# KiCad board JL.kicad_pcb (continued)
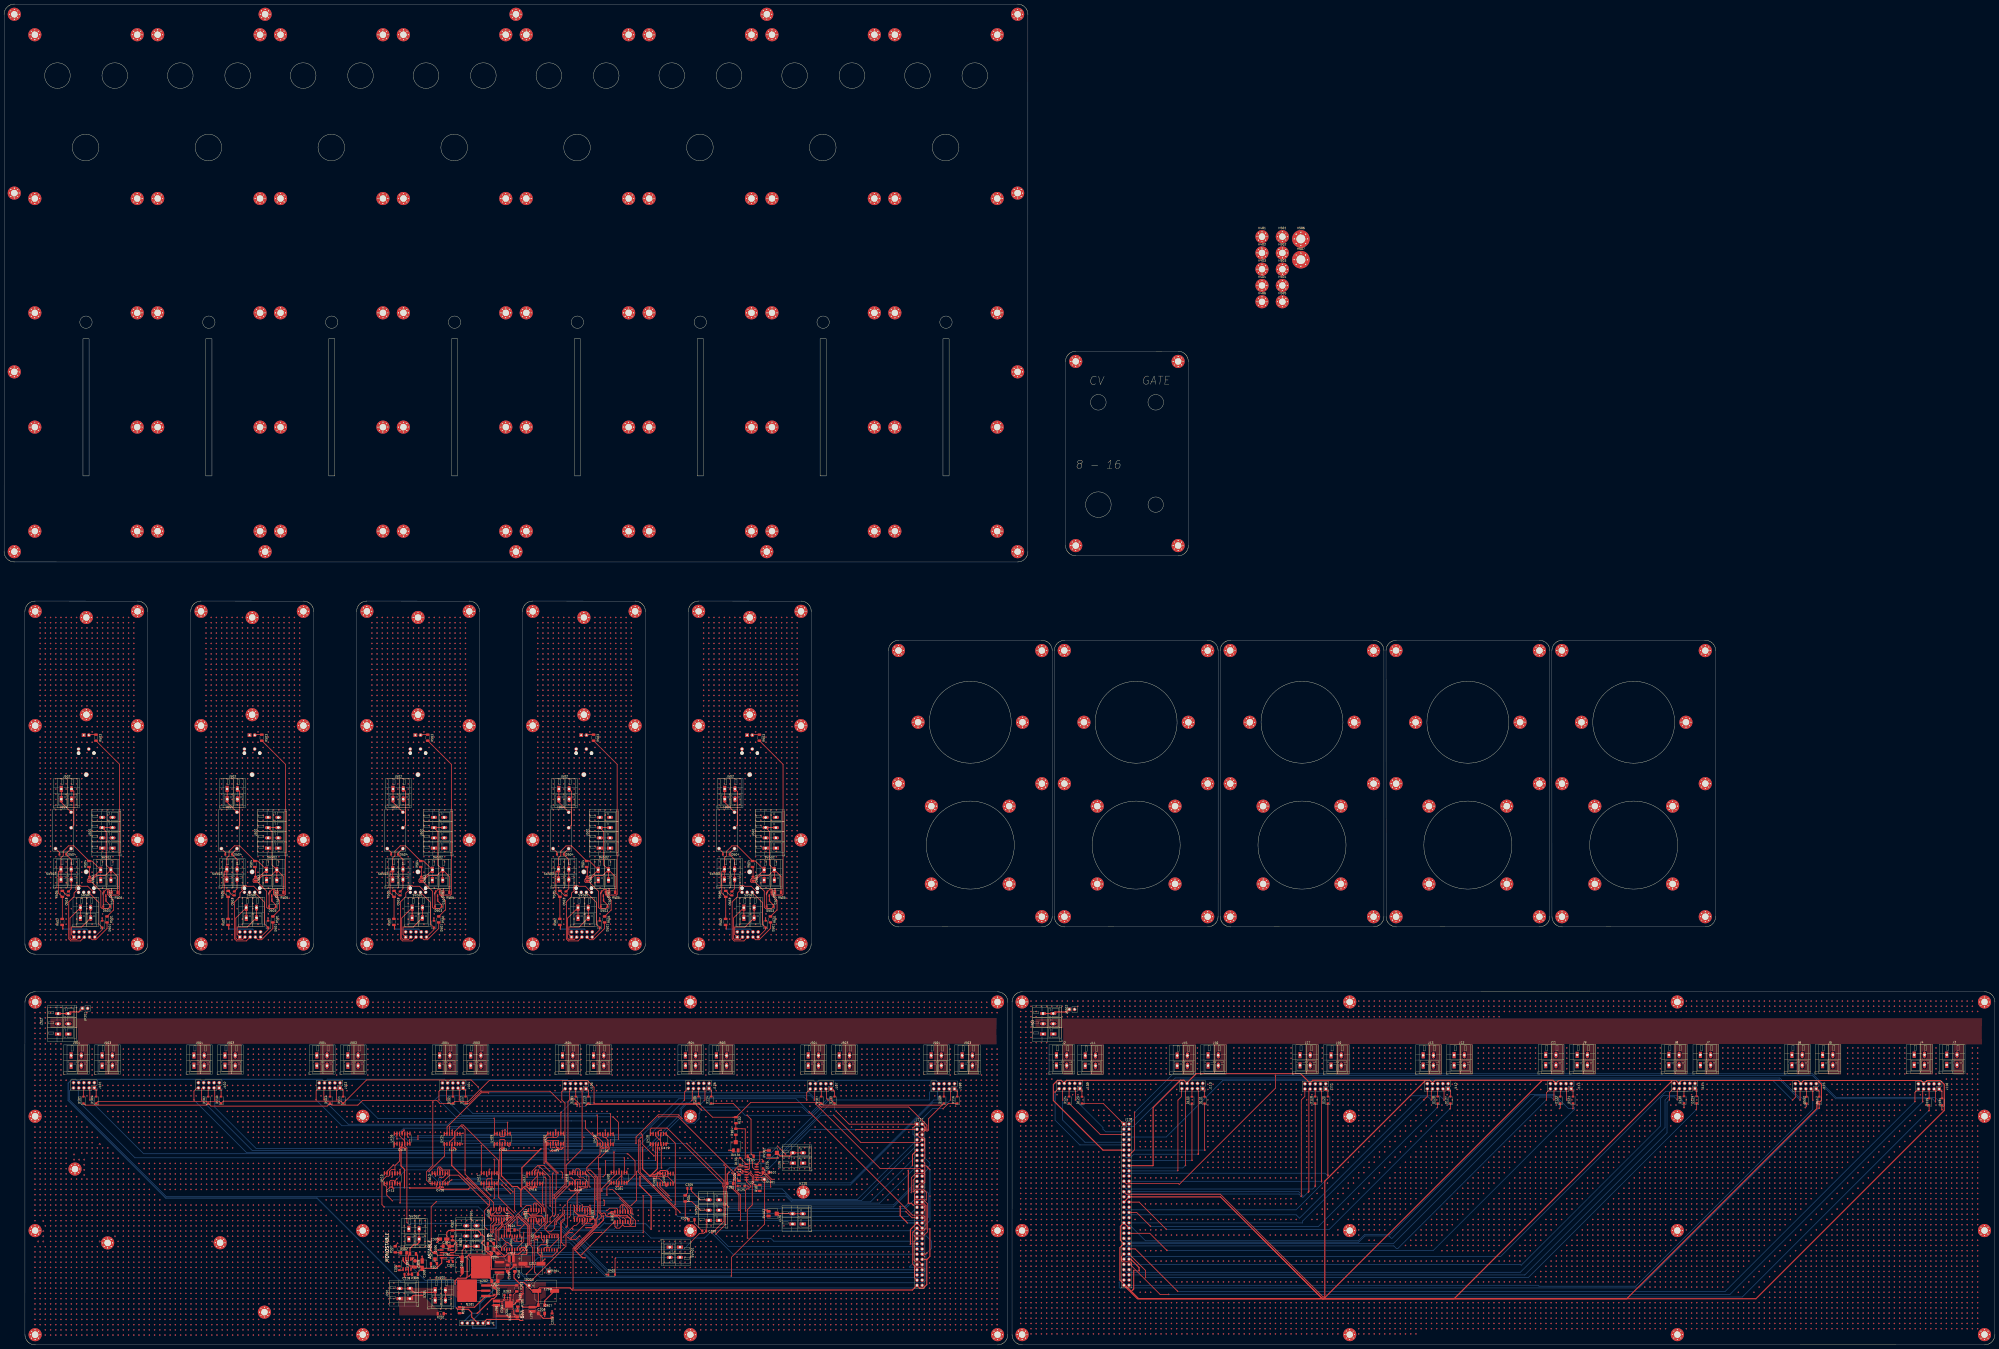
[diagram p0: board, top side]
## Routing (per net, layer and track width the routed paths; a pad name or vN(x,y) marks a point on that pad's centre or on a via; arc(x,y) is an arc through that point) (continued)
*CV_8: length 273.7
  Top w0.349: 216.33,98.18 215.06,98.18 215.06,92.25 v4(207.54,84.73) ; v4(247.32,73.95) 243.16,78.11 v4(243.12,78.11)
  Bottom w0.349: v4(243.12,78.11) 243.12,78.15 242.99,78.28 213.3,78.28 207.54,84.04 v4(207.54,84.73) ; J117.9 418.63,70.46 384.84,70.46 381.35,73.95 v4(247.32,73.95)
*CV_9: length 260.9
  Top w0.349: v4(396.37,117.65) 427.79,86.23 447.11,86.23 J117.20 ; v4(236.62,123.15) 233.02,123.15 216.33,106.46 216.33,103.13 215.06,103.13
  Bottom w0.349: v4(236.62,123.15) 393.22,123.15 396.48,119.9 396.48,117.76 v4(396.37,117.65)
*CV_10: length 275.6
  Top w0.349: 192.16,83.88 193.43,83.88 193.37,83.94 v4(193.37,85.65) ; v4(266.62,67.9) 266.62,81.98 261.69,86.9 v4(261.37,86.9)
  Bottom w0.349: v4(266.62,67.9) 267.39,67.13 327.44,67.13 327.96,67.65 350.52,67.65 351.55,66.63 440.2,66.63 J117.29 ; v4(261.37,86.9) 261.24,87.03 194.74,87.03 v4(193.37,85.65)
*CV_11: length 291.8
  Top w0.349: v4(393.12,113.9) 443.65,63.37 448.91,63.37 449.65,62.63 449.65,60.84 J117.40 ; v3(198.07,100.38) 198.07,98.29 198.18,98.18 196.91,98.18 ; v3(202.12,100.45) v3(202.12,102.18)
  Bottom w0.349: v3(198.07,100.38) 198.14,100.45 v3(202.12,100.45) ; v3(202.12,102.18) 311.44,102.18 329.51,120.25 386.77,120.25 v4(393.12,113.9)
*CV_12: length 272.7
  Top w0.349: v4(251.62,63.4) 256.59,58.43 256.59,49.08 258.09,47.58 258.09,37.63 v4(255.12,34.65) ; 256.58,78.93 255.31,78.93 255.31,78.44 v3(255.94,77.8) ; v3(249.34,76.33) 249.34,65.68 v3(249.78,65.24)
  Bottom w0.349: v4(255.12,34.65) 255.12,33.31 258.07,30.35 448.91,30.35 450.25,31.7 450.25,44.25 448.91,45.59 447.11,45.59 J117.49 ; v3(255.94,77.8) 254.66,77.8 253.18,76.33 v3(249.34,76.33) ; v4(251.62,63.4) v3(249.78,65.24)
*CV_13: length 251.9
  Top w0.349: 256.58,83.88 255.31,83.88 255.37,83.82 v4(255.37,81.9) ; v4(259.42,35.25) 259.42,35.35 258.99,35.78 258.99,39.2 258.88,39.31 258.88,54.17 264.62,59.9 264.62,81.4 v4(264.12,81.9)
  Bottom w0.349: v4(264.12,81.9) v4(255.37,81.9) ; J117.60 447.11,32.89 261.78,32.89 v4(259.42,35.25)
*CV_14: length 183.7
  Top w0.349: 282.66,83.88 283.93,83.88 285.62,82.19 285.62,77.65 v4(286.02,77.25)
  Bottom w0.349: J117.7 416.69,71.06 385.09,71.06 379.95,76.2 367.45,76.2 367.07,75.83 363.99,75.83 363.89,75.72 362.96,76.65 295.55,76.65 295.42,76.52 286.75,76.52 v4(286.02,77.25)
*CV_15: length 169.2
  Top w0.349: v4(324.12,98.4) 323.4,98.4 323.18,98.18 321.91,98.18 ; v4(347.62,54.15) 352.15,58.68 352.15,68.25 352.09,68.31 352.09,77.15 351.59,77.65 351.59,80.18 v4(333.37,98.4)
  Bottom w0.349: v4(347.62,54.15) 353.64,48.13 447.11,48.13 J117.50 ; v4(333.37,98.4) v4(324.12,98.4)
*GATE_8: length 256.7
  Top w0.349: v4(450.67,105.28) 450.67,107.33 441.8,116.2 399.07,116.2 v4(398.03,117.25) ; 222.12,98.18 222.68,98.18 ; 222.12,98.18 221.41,98.18 ; 222.12,98.18 223.84,98.18 v4(223.87,98.15) ; v4(308.62,98.4) 308.62,101.55 319.47,112.4 329.28,112.4 v4(331.07,110.61)
  Bottom w0.349: v4(331.07,110.61) 333.65,108.04 336.96,108.04 339.39,110.47 339.39,112.97 339.84,113.43 339.84,114.98 341.02,116.15 389.77,116.15 392.8,113.13 394.16,113.13 394.16,113.38 v4(398.03,117.25) ; v4(223.87,98.15) 224.12,98.4 v4(308.62,98.4) ; v4(450.67,105.28) J117.4
*GATE_9: length 280.3
  Top w0.349: 186.87,75.8 186.87,74.63 ; 186.87,74.63 186.87,73.15 v3(189.62,70.4) ; 186.87,74.63 186.87,74.63 186.87,77.15 185.81,78.21 185.81,78.93 187.08,78.93
  Bottom w0.349: v3(189.62,70.4) 190.07,70.86 268.94,70.86 269.6,71.53 288.84,71.53 289.44,72.13 324.94,72.13 325.46,72.65 381.8,72.65 384.6,69.86 423.11,69.86 J117.13
*GATE_10: length 293.2
  Top w0.349: v4(190.12,87.9) 187.08,84.86 187.08,83.88 185.81,83.88 ; v4(353.84,67.4) 352.69,68.55 352.69,77.4 352.19,77.9 352.19,86.31 352.69,86.81 v4(351.62,87.88)
  Bottom w0.349: v4(190.12,87.9) 190.14,87.88 v4(351.62,87.88) ; J117.24 449.65,78.61 449.65,76.82 448.91,76.07 443.04,76.07 434.37,67.4 353.84,67.4 v4(353.84,67.4)
*GATE_11: length 282.7
  Top w0.349: 198.18,103.13 196.91,103.13 196.91,101.86 v4(197.37,101.4) ; v4(328.12,63.65) 328.12,65.96 309.84,84.24 309.84,100.13 v4(311.12,101.4)
  Bottom w0.349: v4(311.12,101.4) v4(283.12,101.4) v4(197.37,101.4) ; J117.33 441.45,62.79 328.98,62.79 v4(328.12,63.65)
*GATE_12: length 205.8
  Top w0.349: v4(263.37,68.49) 262.93,68.93 262.93,78.93 261.66,78.93
  Bottom w0.349: J117.44 447.11,55.75 345.62,55.75 342.07,52.2 315.91,52.2 312.36,55.76 276.93,55.76 275.19,57.49 275.19,57.81 274.74,58.27 274.42,58.27 264.2,68.49 v4(263.37,68.49)
*GATE_13: length 228.3
  Top w0.349: v4(268.57,62.86) 269.39,63.68 269.39,71.43 276.31,78.34 276.31,78.93 277.58,78.93
  Bottom w0.349: v4(268.57,62.86) 268.57,61.73 294.87,35.43 448.91,35.43 449.65,36.18 449.65,37.23 448.91,37.97 442.03,37.97 J117.53
*GATE_14: length 246.6
  Top w0.349: 276.31,83.88 277.58,83.88 277.87,84.17 v4(277.87,85.38) ; v4(285.37,85.38) 286.38,85.38 289.87,81.89 289.87,62.38 289.42,61.93 289.42,58.7 277.87,47.15 v4(277.87,27.65)
  Bottom w0.349: v4(285.37,85.38) v4(277.87,85.38) ; J117.64 447.11,27.81 278.03,27.81 v4(277.87,27.65)
*GATE_15: length 160.9
  Top w0.349: v4(327.62,68.4) 327.76,68.54 327.76,98.55 323.18,103.13 321.91,103.13
  Bottom w0.349: v4(327.62,68.4) 434.36,68.4 J117.23
*RELAYS_8: length 249.6
  Top w0.349: v4(317.37,92.4) 311.89,97.88 311.89,102.38 v4(311.22,103.05) ; J117.8 447.11,98.93 418.34,98.93 v4(405.12,112.15) ; 221.41,103.13 223.84,103.13 v4(224.12,103.4) ; v4(372.62,91.15) 377.87,91.15 v4(378.12,91.4)
  Bottom w0.349: v4(311.22,103.05) 311.04,102.88 224.64,102.88 v4(224.12,103.4) ; v4(372.62,91.15) 371.37,92.4 v4(317.37,92.4) ; v4(405.12,112.15) 398.87,112.15 v4(378.12,91.4)
*RELAYS_9: length 271.7
  Top w0.349: v4(193.37,69.4) 193.43,69.46 193.43,78.93 192.16,78.93
  Bottom w0.349: v4(193.37,69.4) 193.51,69.26 269.02,69.26 269.98,70.23 287.99,70.23 288.95,69.26 427.6,69.26 J117.17
*RELAYS_10: length 321.1
  Top w0.349: v4(359.49,60.88) 359.64,61.03 359.64,73.29 357.12,75.81 357.12,83.48 329.16,111.43 v4(319.59,111.43) ; 191.83,98.18 190.56,98.18 190.56,96.87 v4(190.37,96.68)
  Bottom w0.349: v4(359.49,60.88) 359.54,60.83 449.8,60.83 451.37,62.4 451.37,74.15 450.72,74.8 J117.28 ; v4(190.37,96.68) 190.37,101.1 195.15,105.88 313.34,105.88 313.37,105.9 314.07,105.9 v4(319.59,111.43)
*RELAYS_11: length 283.7
  Top w0.349: v4(191.87,100.65) 191.83,100.69 191.83,103.13 190.56,103.13 ; v4(440.37,65.15) 443.42,62.1 J117.37 ; v4(330.12,64.65) 330.12,64.81 310.62,84.31 v4(310.62,99.65)
  Bottom w0.349: v4(191.87,100.65) 196.37,100.65 197.39,99.63 310.59,99.63 v4(310.62,99.65) ; v4(330.12,64.65) 330.62,64.15 382.72,64.15 383.8,65.24 440.28,65.24 v4(440.37,65.15)
*RELAYS_12: length 222
  Top w0.349: v4(363.09,52.08) 362.94,52.23 362.94,65.98 365.37,68.41 365.37,82.24 v4(364.46,83.15) ; 261.66,83.88 263.39,83.88 v4(264.12,83.15)
  Bottom w0.349: v4(363.09,52.08) 374.42,52.08 375.82,50.67 447.11,50.67 J117.48 ; v4(264.12,83.15) v4(364.46,83.15)
*RELAYS_13: length 208.2
  Top w0.3: v3(284.17,77.46) 283.93,77.7 283.93,78.93 282.66,78.93 ; v3(283.15,76.57) 282.49,76.57 281.44,75.53
  Top w0.349: 281.44,75.53 280.44,75.53 275.06,70.14 275.06,58.13 v4(274.42,57.5)
  Bottom w0.3: v3(283.15,76.57) 284.03,77.46 v3(284.17,77.46)
  Bottom w0.349: J117.57 294.69,36.7 274.42,56.97 v4(274.42,57.5)
*RELAYS_14: length 141.6
  Top w0.349: v4(316.87,95.15) 316.87,98.14 316.83,98.18 315.56,98.18 ; v4(381.62,93.15) v4(377.74,97.03) ; v4(415.87,105.15) 416,105.28 J117.3
  Bottom w0.349: v4(415.87,105.15) 393.62,105.15 v4(381.62,93.15) ; v4(377.74,97.03) 374.76,94.05 317.97,94.05 v4(316.87,95.15)
*RELAYS_15: length 181.8
  Top w0.349: 316.83,103.13 315.56,103.13 315.56,105.34 316.12,105.9 323.87,105.9 350.99,78.78 350.99,77.4 351.49,76.9 351.49,68.06 351.55,68 351.55,60.4 345.8,54.65 v4(345.62,54.65)
  Bottom w0.349: v4(345.62,54.65) 355.95,44.32 J117.51
/CascadeCounters-CommonOutputs/EIGHT: length 27.6
  Top w0.349: v4(257.37,49.4) 257.33,49.44 257.33,60.93 ; U404.9 243,47.53 v4(244.87,49.4)
  Bottom w0.349: v4(244.87,49.4) v4(257.37,49.4)
/CascadeCounters-CommonOutputs/FIVE: length 62.1
  Top w0.349: v4(261.62,58.43) 261.14,58.91 261.14,60.93 ; v4(273.62,65.65) 273.62,64.07 269.62,60.07 v4(269.62,58.9) ; v4(253.87,58.65) 251.89,56.67 U404.1 ; v4(294.21,65.65) 294.58,65.65 295.71,66.78 299.15,66.78 299.58,66.35 299.58,64.4
  Bottom w0.349: v4(269.62,58.9) 269.09,58.38 261.67,58.38 v4(261.62,58.43) 261.39,58.65 v4(253.87,58.65) ; v4(294.21,65.65) v4(273.62,65.65)
/CascadeCounters-CommonOutputs/FOUR: length 82.2
  Top w0.3: v3(302.92,66.38) 303.39,65.91 303.39,65.38
  Top w0.349: 284.91,66.13 284.91,63.69 v4(284.87,63.65) ; v4(273.62,62.98) 273.62,60.93 272.26,59.57 272.26,49.99 v4(273.62,48.63) ; v4(245.43,48.63) 244.27,47.47 U404.10
  Bottom w0.349: 273.37,48.63 273.87,48.63 ; 273.37,48.63 v4(273.62,48.63) ; 273.37,48.63 v4(245.43,48.63) ; v4(273.62,62.98) 274.29,63.65 v4(284.87,63.65) 286.24,65.03 293.74,65.03 293.89,64.88 295.49,64.88 296.82,63.55 300.08,63.55 v3(302.92,66.38)
/CascadeCounters-CommonOutputs/NINE: length 29
  Top w0.349: 240.35,66.38 240.35,65.4 238.85,63.9 v4(238.37,63.9) ; U404.11 245.37,46.48 v4(245.37,45.15) ; v4(240.37,57.18) 239.84,56.65 v4(239.84,51.4)
  Bottom w0.349: v4(245.37,45.15) 245.37,45.88 v4(239.84,51.4) ; v4(240.37,57.18) 242.39,59.2 242.39,59.98 238.46,63.9 v4(238.37,63.9)
/CascadeCounters-CommonOutputs/ONE: length 91.9
  Top w0.3: v4(281.26,67.9) 281.06,67.7 U402.5 ; v4(272.85,61.25) 271.66,60.06 v4(271.66,47.43) ; v4(276.06,62.53) 276.66,63.13 v4(276.66,68.23)
  Top w0.349: v4(241.62,51.15) 241.62,56 243.68,58.06 243.68,58.95 243.48,59.15 243.48,60.05 244.16,60.73 244.16,61.43 ; U404.2 250.37,52.9 v4(250.37,51.15)
  Bottom w0.3: v4(272.85,61.25) 273.51,61.91 275.44,61.91 v4(276.06,62.53) ; v4(281.26,67.9) 280.26,68.9 277.33,68.9 v4(276.66,68.23) ; v4(271.66,47.43) 245.58,47.43 244.12,48.89 244.12,49.71 244.56,50.15 245.18,50.15 245.35,49.97 251.55,49.97 v4(250.37,51.15)
  Bottom w0.349: v4(241.62,51.15) v4(250.37,51.15)
/CascadeCounters-CommonOutputs/RESET_COUNTERS: length 66
  Top w0.349: v4(250.87,56.15) 249.29,56.15 R401.1 ; v4(262.12,54.9) 262.44,54.58 U406.15 262.44,51.83 v4(263.12,51.15) ; D401.1 294.98,34.4 v4(293.87,34.4) ; v4(253.77,54.9) 253.77,50.6 250.62,47.45 U404.15
  Bottom w0.349: v4(250.87,56.15) 252.12,54.9 v4(253.77,54.9) v4(262.12,54.9) ; v4(263.12,51.15) 277.12,51.15 v4(293.87,34.4)
/CascadeCounters-CommonOutputs/SEVEN: length 23.5
  Top w0.349: 257.33,65.88 257.33,67.94 257.12,68.15 255.12,68.15 245.36,58.4 245.36,53.33 U404.6
/CascadeCounters-CommonOutputs/SIX: length 32.2
  Top w0.349: 261.14,65.88 261.14,64.9 260.14,63.9 v3(257.87,63.9) ; v3(249.57,61.15) 247.34,58.92 247.34,53.68 U404.5 ; U405.2 244.17,65.33 245.23,64.26 v4(246.45,64.26) ; 244.16,65.86 244.16,66.38
  Bottom w0.3: 256.16,62.83 254.26,62.83 253.33,61.9 251.77,61.9 250.92,61.05
  Bottom w0.349: 256.16,62.83 256.76,63.43 257.39,63.43 v3(257.87,63.9) ; 250.92,61.05 249.67,61.05 v3(249.57,61.15) 248.34,62.38 248.34,62.83 246.91,64.26 v4(246.45,64.26)
/CascadeCounters-CommonOutputs/TENS: length 148.8
  Top w0.3: U405.9 239.09,60.38 237.62,58.91 237.62,55.1 238.06,54.66 238.68,54.66 239.11,55.1 239.11,57.88 239.87,58.63 241.65,58.63 242.9,59.88 U405.12
  Top w0.349: 240.62,47.15 240.62,55.85 242.89,58.12 242.89,58.43 ; 240.62,47.15 243.87,43.9 v4(244.12,43.9) ; 240.62,47.15 240.62,46.9 ; U407.9 304.66,66 304.24,66.42 304.24,66.87 302.44,68.67 301.8,68.67 300.85,67.72 U407.12 ; 242.89,61.43 242.89,58.43 ; 302.12,58.65 300.49,57.03 299.16,57.03 298.31,57.88 298.31,60.43 282.12,44.24 v4(282.12,44.15) ; 302.12,58.65 302.12,60.43 ; 302.12,58.65 302.87,57.9 308.37,57.9 308.37,60.69 304.66,64.4 304.66,65.38 ; 242.89,58.43 242.89,58.61 v4(242.91,58.63) ; 244.87,58.9 248.74,62.78 248.74,63.06 245.43,66.38 245.43,65.86 ; U406.2 262.37,46.33 v4(262.37,44.15)
  Bottom w0.349: v4(244.12,43.9) 262.12,43.9 v4(262.37,44.15) v4(282.12,44.15) ; 242.89,58.65 243.14,58.9 244.56,58.9 ; v4(244.82,58.95) 244.78,58.9 244.56,58.9 ; 244.56,58.9 244.87,58.9
/CascadeCounters-CommonOutputs/THREE: length 75.2
  Top w0.349: 284.12,59.4 284.91,60.19 284.91,61.18 ; 284.12,59.4 284.37,59.15 v4(287.12,59.15) ; 284.12,59.4 v4(276.87,52.15) ; v4(302.12,62.15) 302.64,62.15 303.39,61.4 303.39,60.43 ; v4(244.37,57.65) 244.27,57.55 U404.7
  Bottom w0.349: v4(244.37,57.65) 271.37,57.65 v4(276.87,52.15) ; v4(287.12,59.15) 288.92,59.15 289.87,60.1 289.87,61.54 290.28,61.95 291.59,61.95 292.49,61.05 293.59,62.15 v4(302.12,62.15)
/CascadeCounters-CommonOutputs/TWO: length 66.4
  Top w0.3: U407.2 299.56,60.06 v4(299.56,58.23) ; U404.4 248.08,51.91 249.58,50.41 252.14,50.41 v4(252.46,50.73) 252.86,51.13 v4(252.86,52.7) ; 276.96,56.83 277.46,56.83 v4(277.76,56.53) ; 276.96,56.83 278.56,58.43 279.4,58.43 281.06,60.08 U402.10 ; 276.96,56.83 273.26,53.13 v4(273.26,52.73)
  Bottom w0.3: v4(252.86,52.7) 253.06,52.5 273.03,52.5 v4(273.26,52.73) ; v4(277.76,56.53) 297.86,56.53 v4(299.56,58.23)
/CascadeCounters-CommonOutputs/ZERO: length 130.4
  Top w0.3: v4(263.36,50.15) 264.01,50.81 264.01,52.6 U406.14
  Top w0.349: 263.62,53 U406.14 ; v4(312.12,54.9) v4(312.12,72.9) ; v4(324.66,72.95) 320.33,77.29 320.33,78.68 ; v4(249.12,51.93) 249.12,52.92 U404.3 ; v4(238.37,55.4) 238.37,57.94 240.35,59.92 240.35,61.43 ; v4(291.76,54.98) 287.94,54.98 v4(279.62,46.65)
  Bottom w0.349: v4(312.12,72.9) 324.62,72.9 v4(324.66,72.95) ; v4(312.12,54.9) 312.04,54.98 v4(291.76,54.98) ; v4(279.62,46.65) 276.12,50.15 v4(263.36,50.15) 257.71,50.15 255.94,51.93 249.12,51.93 v4(249.12,51.93) 241.84,51.93 v4(238.37,55.4)
/CascadeCounters-CommonOutputs/ZEROES: length 193.4
  Top w0.3: v4(282.36,68.33) 282.36,66.03 U402.4 ; v4(273.96,68.23) 272.87,67.14 272.87,64.13 268.87,60.13 268.87,58.6 268.86,58.58 268.86,57.03 267.09,55.26 265.39,55.26
  Top w0.349: U406.3 263.71,47.2 264.16,47.65 266.62,47.65 270.79,51.82 270.79,53.79 270.45,54.13 266.52,54.13 264.09,56.56 264.09,58.53 265.39,59.83 v4(265.39,63.4) ; v4(242.12,67.71) 242.12,66.88 241.62,66.38 ; 258.6,65.88 258.6,68.86 258.99,69.26 260.19,69.26 262.41,67.04 v4(262.41,64.19) ; 286.18,64.15 286.18,68.09 v4(286.12,68.15) ; 286.18,64.15 286.18,66.65 285.29,67.53 282.79,67.53 282.37,67.1 282.37,66.13 ; 286.18,64.15 286.18,63.71 286.12,63.65 v3(286.12,63.58) ; v4(260.36,59.46) 260.36,60.43 259.87,60.93 259.87,61.9 259.44,62.33 256.48,62.33 256.06,61.9 256.06,60.93 255.59,60.93 v4(254.62,61.9) ; v4(292.87,70.65) 293.12,70.4 v4(293.12,68.15) ; 283.64,61.18 283.64,62.15 ; 283.64,61.18 283.25,60.79 v3(283.25,59.52) ; 283.64,61.18 283.64,61.7 282.75,62.58 280.25,62.58 279.83,62.15 279.83,61.18 ; v4(325.87,70.65) 319.06,77.46 319.06,78.68
  Bottom w0.3: v4(282.36,68.33) 281.03,69.66 275.39,69.66 v4(273.96,68.23)
  Bottom w0.349: v4(262.41,64.19) 262.58,64.19 263.84,62.93 ; 263.84,62.93 v4(260.36,59.46) ; 263.84,62.93 264.31,63.4 v4(265.39,63.4) ; v3(283.25,59.52) 285.33,59.52 289.14,63.33 289.14,63.98 288.69,64.43 286.97,64.43 v3(286.12,63.58) ; v4(254.62,61.9) 254.62,60.55 254.09,60.03 253.59,60.03 253.52,60.1 252.87,60.1 252.42,59.65 252.42,59.13 247.39,59.13 242.12,64.4 v4(242.12,67.71) ; v4(286.12,68.15) v4(293.12,68.15) ; v4(325.87,70.65) v4(292.87,70.65)
/CV_OP-AMP_NON-INV: length 31.4
  Top w0.349: R102.2 357.34,108.2 R104.2 360.37,105.58 360.42,105.53 361.96,105.53 v4(361.96,91.13) ; U2.5 366.53,85.69 365.56,86.66 v3(365.56,89.73)
  Bottom w0.349: v4(361.96,91.13) 363.36,89.73 v3(365.56,89.73)
/CV_OP-AMP_OUT: length 12.6
  Top w0.349: RV102.3 371.68,94.95 370.96,94.23 369.06,94.23 369.06,89.78 U2.7 ; 367.61,88.18 367.61,86.91
/module-master/A_to_ALQ305_0: length 117.7
  Top w0.349: C503#2.2 275.78,222.83 SW503#5.2 275.78,237.13 D504#2.1 273.33,240.03 K501#2.1 ; C503#5.2 194.78,222.83 SW503.2 194.78,237.13 D504#4.1 192.33,240.03 K501#4.1 ; K501#3.1 354.33,240.03 D504.1 356.78,237.13 SW503#2.2 356.78,222.83 C503.2 ; C503#3.2 32.78,222.83 SW503#3.2 32.78,237.13 D504#3.1 30.33,240.03 K501#5.1 ; K501.1 111.33,240.03 D504#5.1 113.78,237.13 SW503#4.2 113.78,222.83 C503#4.2
/module-master/E_to_R_0: length 489.4
  Top w0.349: D503#4.2 48.43,220.45 48.28,220.6 48.28,220.82 Q501#4.2 49.89,222.43 51.05,222.43 51.35,222.13 51.35,220.08 51.75,219.68 55.92,219.68 56.41,220.18 56.41,283.61 R503#4.2 ; D503#3.2 372.43,220.45 372.28,220.6 372.28,220.82 Q501#2.2 373.89,222.43 375.05,222.43 375.35,222.13 375.35,220.08 375.75,219.68 379.92,219.68 380.41,220.18 380.41,283.61 R503#2.2 ; D503#2.2 210.43,220.45 210.28,220.6 210.28,220.82 Q501#5.2 211.89,222.43 213.05,222.43 213.35,222.13 213.35,220.08 213.75,219.68 217.92,219.68 218.41,220.18 218.41,283.61 R503.2 ; D503.2 129.43,220.45 129.28,220.6 129.28,220.82 Q501.2 130.89,222.43 132.05,222.43 132.35,222.13 132.35,220.08 132.75,219.68 136.92,219.68 137.41,220.18 137.41,283.61 R503#5.2 ; D503#5.2 291.43,220.45 291.28,220.6 291.28,220.82 Q501#3.2 292.89,222.43 294.05,222.43 294.35,222.13 294.35,220.08 294.75,219.68 298.92,219.68 299.41,220.18 299.41,283.61 R503#3.2
/module-master/R_to_B_0: length 72.6
  Top w0.349: R501#2.2 53.38,212.4 53.48,212.4 53.48,217.1 50.63,219.95 Q501#4.1 ; R501.2 215.38,212.4 215.48,212.4 215.48,217.1 212.63,219.95 Q501#5.1 ; Q501#2.1 374.63,219.95 377.48,217.1 377.48,212.4 377.38,212.4 R501#4.2 ; Q501.1 131.63,219.95 134.48,217.1 134.48,212.4 134.38,212.4 R501#3.2 ; R501#5.2 296.38,212.4 296.48,212.4 296.48,217.1 293.63,219.95 Q501#3.1
/module-master/R_to_C_0: length 532.2
  Top w0.349: SW503#2.1 351.78,237.9 352.88,239 352.88,241.2 355.44,243.76 358.08,243.76 R504#2.2 366.89,236.37 SW502.1 366.83,227.73 365.07,227.73 364.63,227.28 364.63,226.23 365.02,225.84 367.02,225.84 371.25,221.61 371.25,213.76 371.93,213.08 374.7,213.08 D503#3.1 375.73,214.87 C501#2.1 C501#2.2 373.78,219.29 Q501#2.3 ; SW503#2.1 SW503#2.1 ; SW503#2.1 350.48,231.03 350.48,220.8 R505#2.1 352.43,208.15 R502#5.2 ; R502#2.2 28.43,208.15 R505#4.1 26.48,220.8 26.48,231.03 SW503#3.1 ; Q501#3.3 292.78,219.29 C501#5.2 C501#5.1 294.73,214.87 D503#5.1 293.7,213.08 290.93,213.08 290.25,213.76 290.25,221.61 286.02,225.84 284.02,225.84 283.63,226.23 283.63,227.28 284.07,227.73 285.83,227.73 SW502#4.1 285.89,236.37 R504#5.2 277.08,243.76 274.44,243.76 271.88,241.2 271.88,239 270.78,237.9 SW503#5.1 ; SW503.1 188.48,231.03 188.48,220.8 R505#5.1 190.43,208.15 R502#3.2 ; SW503.1 189.78,237.9 190.88,239 190.88,241.2 193.44,243.76 196.08,243.76 R504#4.2 204.89,236.37 SW502#3.1 204.83,227.73 203.07,227.73 202.63,227.28 202.63,226.23 203.02,225.84 205.02,225.84 209.25,221.61 209.25,213.76 209.93,213.08 212.7,213.08 D503#2.1 213.73,214.87 C501#4.1 C501#4.2 211.78,219.29 Q501#5.3 ; SW503.1 SW503.1 ; SW503#3.1 27.78,237.9 28.88,239 28.88,241.2 31.44,243.76 34.08,243.76 R504.2 42.89,236.37 SW502#5.1 42.83,227.73 41.07,227.73 40.63,227.28 40.63,226.23 41.02,225.84 43.02,225.84 47.25,221.61 47.25,213.76 47.93,213.08 50.7,213.08 D503#4.1 51.73,214.87 C501#3.1 C501#3.2 49.78,219.29 Q501#4.3 ; SW503#3.1 SW503#3.1 ; SW503#5.1 269.48,231.03 269.48,220.8 R505.1 271.43,208.15 R502.2 ; SW503#5.1 SW503#5.1 ; SW503#4.1 SW503#4.1 ; SW503#4.1 108.78,237.9 109.88,239 109.88,241.2 112.44,243.76 115.08,243.76 R504#3.2 123.89,236.37 SW502#2.1 123.83,227.73 122.07,227.73 121.63,227.28 121.63,226.23 122.02,225.84 124.02,225.84 128.25,221.61 128.25,213.76 128.93,213.08 131.7,213.08 D503.1 132.73,214.87 C501.1 C501.2 130.78,219.29 Q501.3 ; SW503#4.1 107.48,231.03 107.48,220.8 R505#3.1 109.43,208.15 R502#4.2
  Bottom w0.349: SW502#2.1 SW502#2.1 ; SW502#5.1 SW502#5.1 ; SW502.1 SW502.1 ; SW502#3.1 SW502#3.1 ; SW502#4.1 SW502#4.1
/module-master/R_to_KLED_0: length 18.3
  Top w0.349: R503#2.1 368.84,298.1 365.24,298.1 ; R503#4.1 44.84,298.1 41.24,298.1 ; R503#3.1 287.84,298.1 284.24,298.1 ; 122.24,298.1 125.84,298.1 R503#5.1 ; 203.24,298.1 206.84,298.1 R503.1
/module-master/SHUNT_1_0: length 24.6
  Top w0.349: R504#5.1 284.78,233.14 C502.1 ; C502#2.1 122.78,233.14 R504#3.1 ; R504#2.1 365.78,233.14 C502#3.1 ; R504.1 41.78,233.14 C502#5.1 ; R504#4.1 203.78,233.14 C502#4.1
/module-master/SHUNT_2_0: length 19.6
  Top w0.349: C503#3.1 30.63,219.58 R505#4.2 ; C503#5.1 192.63,219.58 R505#5.2 ; C503.1 354.63,219.58 R505#2.2 ; C503#4.1 111.63,219.58 R505#3.2 ; C503#2.1 273.63,219.58 R505.2
/module-master/SW_to_AQ-A_IN_0: length 286.6
  Top w0.349: C502#5.2 42.7,226.75 45.17,229.23 49.33,229.23 SW502#5.2 ; C502#4.2 204.7,226.75 207.17,229.23 211.33,229.23 SW502#3.2 ; SW502#4.2 SW502#4.2 ; SW502#4.2 292.33,229.23 288.17,229.23 285.7,226.75 C502.2 ; SW502#4.2 292.85,234.41 292.85,250.76 U501#2.3 U501#2.3 ; SW502#4.2 298.43,228.83 R506#5.2 ; SW502.2 373.33,229.23 369.17,229.23 366.7,226.75 C502#3.2 ; SW502.2 373.85,234.41 373.85,250.76 U501.3 U501.3 ; SW502.2 379.43,228.83 R506#4.2 ; SW502.2 SW502.2 ; SW502#3.2 217.43,228.83 R506#2.2 ; SW502#3.2 211.85,234.41 211.85,250.76 U501#5.3 U501#5.3 ; SW502#3.2 SW502#3.2 ; R506#3.2 136.43,228.83 SW502#2.2 ; SW502#2.2 SW502#2.2 ; SW502#2.2 130.85,234.41 130.85,250.76 U501#4.3 U501#4.3 ; SW502#2.2 130.33,229.23 126.17,229.23 123.7,226.75 C502#2.2 ; SW502#5.2 49.85,234.41 49.85,250.76 U501#3.3 U501#3.3 ; SW502#5.2 55.43,228.83 R506.2 ; SW502#5.2 SW502#5.2
/Power Supply/LDO_LED_K: length 2.5
  Top w0.5: D204.1 236.24,46.99 R204.2
/Power Supply/POL-FET-D: length 14.1
  Top w0.5: SW201.2 SW201.2 ; Q201.2 Q201.2
/Power Supply/POL-FET-G: length 19.5
  Top w0.5: R202.1 229.76,18.43 Q201.1 238.88,23.94 D202.2
/Power Supply/PowerIn+: length 18.7
  Top w0.5: J201.2 200.21,25.59 D201.1 209.38,25.59 SW201.1 SW201.1
/Power Supply/PowerIn-: length 6.7
  Top w0.5: D201.2 199.78,24.19 J201.1
/Power Supply/SW-REG_CB: length 3.8
  Top w0.349: C203.1 243.19,18.19 243.86,17.53 243.88,17.55 U201.1
/Power Supply/SW-REG_LED_K: length 2.2
  Top w0.5: R205.2 250.87,16.89 D205.1
/Power Supply/SW-REG_ON: length 5.2
  Top w0.349: R203.1 248.62,24.4 248.62,21.95 248.32,21.95
/Power Supply/SW_REG_L: length 7.9
  Top w0.3: 245.22,21.95 244.09,21.95 C203.2
  Top w0.349: C203.2 240.83,21.05 L201.1
  Top w0.5: 243.76,22.03 244.37,22.64 D203.1
/Power Supply/Unfiltered-6V: length 64
  Top w0.349: v4(242.26,44.33) 241.93,44.65 240.59,44.65
  Top w0.5: 240.59,44.65 239.23,46.02 D204.2
  Bottom w0.349: v4(242.26,44.33) 244.96,41.63 v4(244.96,41.33)
  Bottom w0.5: J1.5 227.88,12.23 229.05,12.23 232.36,15.53 232.36,20.13 242.01,29.78 253.89,29.78 255.31,31.21 255.31,31.85 245.83,41.33 v4(244.96,41.33)
/Timers/555-R-POT: length 13.8
  Top w0.349: R303.1 218.94,48.23 v4(220.12,49.4)
  Bottom w0.3: RV301.2 RV301.2
  Bottom w0.349: RV301.2 223.9,53.19 v4(220.12,49.4)
/Timers/555_2-6: length 23.8
  Top w0.349: U301.2 216.19,45.08 216.37,44.9 216.37,44.15 216.71,43.81 U301.6 221.83,43.81 C302.1 223.69,46.19 RV301.1 RV301.1
/Timers/555_5: length 2
  Top w0.349: U301.5 218.67,41.17 C301.2
/Timers/555_DIS: length 10.9
  Top w0.349: U301.7 219.64,45.08 221.12,46.55 221.12,49.82 219.82,51.12 R303.2 R302.1
/Timers/555_LED-K: length 2.7
  Top w0.349: R301.2 210.44,40.65 210.44,42.04
/Timers/555M_5: length 2.1
  Top w0.349: U302.5 194.38,36.5 C307.2
/Timers/555M_DIS: length 5.5
  Top w0.349: R308.1 C310.1 197.42,34.52 U302.7 U302.6
/Timers/555M_LED-K: length 3.2
  Top w0.3: 191.29,45 191.03,45.27
  Top w0.349: D302.1 191.24,45 R307.2
/Timers/ASTABLE_CLOCK_SWITCH: length 182.8
  Top w0.3: 339.94,70.9 340.01,70.83 SW301.3
  Top w0.349: U301.3 211.69,43.81 D301.2 209.39,45.04 208.56,45.87 208.56,67.5 211.02,69.96 v3(211.12,69.96) ; C305.2 335.59,75.25 339.94,70.9
  Bottom w0.3: 338.91,69.88 339.87,70.83
  Bottom w0.349: v3(211.12,69.96) 268.87,69.96 269.84,70.93 288.13,70.93 289.18,69.88 338.91,69.88 ; SW301.3 SW301.3 340.01,70.83 v4(339.42,71.43)
/Timers/MONOSTABLE_CLOCK_SWITCH: length 185.5
  Top w0.3: SW301.1 342.88,59.57 C306.2 341.75,54.5 339.67,54.5 v4(335.42,50.25)
  Top w0.349: v3(277.47,54.93) 275.92,54.93 274.39,53.4 274.39,48.25 257.67,31.53 v3(254.54,31.53) ; 196.27,45 196.27,42.07 U302.3 196.15,40.99 196.72,40.43 v4(196.76,40.43) 196.76,40.39 196.74,40.4
  Bottom w0.349: 196.74,40.4 205.62,31.53 v3(254.54,31.53) ; SW301.1 SW301.1 ; v3(277.47,54.93) 285.88,46.52 331.69,46.52 v4(335.42,50.25)
_5VA_0: length 78.6
  Top w0.5: R502#5.1 352.68,204.83 v4(352.68,203.2) ; v4(28.68,203.2) 28.68,204.83 R502#2.1 ; v4(109.68,203.2) 109.68,204.83 R502#4.1 ; v4(190.68,203.2) 190.68,204.83 R502#3.1 ; v4(271.68,203.2) 271.68,204.83 R502.1
  Bottom w0.5: J501#3.8 283.37,203.09 271.79,203.09 v4(271.68,203.2) ; J501#2.8 364.37,203.09 352.79,203.09 v4(352.68,203.2) ; J501#4.8 40.37,203.09 28.79,203.09 v4(28.68,203.2) ; v4(109.68,203.2) 109.79,203.09 121.37,203.09 J501.8 ; v4(190.68,203.2) 190.79,203.09 202.37,203.09 J501#5.8
_CV_0: length 130.6
  Top w0.3: 208.28,216.13 208.28,205.55 D501#2.1 209.93,202.87 J501#5.9 ; J501.9 128.93,202.87 D501#5.1 127.28,205.55 127.28,216.13 ; 46.28,216.13 46.28,205.55 D501#4.1 47.93,202.87 J501#4.9 ; J501#2.9 371.93,202.87 D501.1 370.28,205.55 370.28,216.13 ; J501#3.9 290.93,202.87 D501#3.1 289.28,205.55 289.28,216.13
  Top w0.349: 46.28,216.13 41.33,221.08 ; 127.28,216.13 122.33,221.08 ; 370.28,216.13 365.33,221.08 ; 289.28,216.13 284.33,221.08 ; 208.28,216.13 203.33,221.08
_CV_OUTPUT_0: length 232
  Top w0.349: J501#4.5 37.3,197.33 32.55,197.33 31.58,198.3 31.58,216.41 34.18,219 34.18,220.73 35.51,222.06 35.04,222.53 35.04,223.63 35.82,224.4 37.15,224.4 37.5,224.05 40.85,224.05 43.83,221.08 ; 286.83,221.08 283.85,224.05 280.5,224.05 280.15,224.4 278.82,224.4 278.04,223.63 278.04,222.53 278.51,222.06 277.18,220.73 277.18,219 274.58,216.41 274.58,198.3 275.55,197.33 280.3,197.33 J501#3.5 ; J501#2.5 361.3,197.33 356.55,197.33 355.58,198.3 355.58,216.41 358.18,219 358.18,220.73 359.51,222.06 359.04,222.53 359.04,223.63 359.82,224.4 361.15,224.4 361.5,224.05 364.85,224.05 367.83,221.08 ; J501#5.5 199.3,197.33 194.55,197.33 193.58,198.3 193.58,216.41 196.18,219 196.18,220.73 197.51,222.06 197.04,222.53 197.04,223.63 197.82,224.4 199.15,224.4 199.5,224.05 202.85,224.05 205.83,221.08 ; J501.5 118.3,197.33 113.55,197.33 112.58,198.3 112.58,216.41 115.18,219 115.18,220.73 116.51,222.06 116.04,222.53 116.04,223.63 116.82,224.4 118.15,224.4 118.5,224.05 121.85,224.05 124.83,221.08
_GATE_0: length 136.5
  Top w0.349: J501#4.3 35.36,197.93 32.95,197.93 32.18,198.7 32.18,208.48 SW501#4.1 SW501#4.1 ; J501#5.3 197.36,197.93 194.95,197.93 194.18,198.7 194.18,208.48 SW501#5.1 SW501#5.1 ; J501#2.3 359.36,197.93 356.95,197.93 356.18,198.7 356.18,208.48 SW501#2.1 SW501#2.1 ; J501.3 116.36,197.93 113.95,197.93 113.18,198.7 113.18,208.48 SW501.1 SW501.1 ; SW501#3.1 SW501#3.1 275.18,208.48 275.18,198.7 275.95,197.93 278.36,197.93 J501#3.3
_GATE_OUTPUT_0: length 108.7
  Top w0.349: SW501#3.2 SW501#3.2 280.82,204.13 275.82,204.13 275.82,200.48 J501#3.1 ; J501#5.1 194.82,200.48 194.82,204.13 199.82,204.13 SW501#5.2 SW501#5.2 ; J501.1 113.82,200.48 113.82,204.13 118.82,204.13 SW501.2 SW501.2 ; SW501#2.2 SW501#2.2 361.82,204.13 356.82,204.13 356.82,200.48 J501#2.1 ; J501#4.1 32.82,200.48 32.82,204.13 37.82,204.13 SW501#4.2 SW501#4.2
_GND_0: length 33.9
  Top w0.349: K501#5.2 27.03,240.53 D504#3.2 ; K501.2 108.03,240.53 D504#5.2 ; v4(371.86,208.53) 371.93,208.46 D501.2 ; D501#2.2 209.93,208.46 v4(209.86,208.53) ; D504#4.2 189.03,240.53 K501#4.2 ; D501#5.2 128.93,208.46 v4(128.86,208.53) ; v4(295.46,222.83) 295.5,222.78 R506#5.1 ; R506#2.1 214.5,222.78 v4(214.46,222.83) ; K501#3.2 351.03,240.53 D504.2 ; v4(47.86,208.53) 47.93,208.46 D501#4.2 ; D504#2.2 270.03,240.53 K501#2.2 ; R506#3.1 133.5,222.78 v4(133.46,222.83) ; v4(52.46,222.83) 52.5,222.78 R506.1 ; D501#3.2 290.93,208.46 v4(290.86,208.53) ; v4(376.46,222.83) 376.5,222.78 R506#4.1